# KiCad board gk.kicad_pcb (continued)
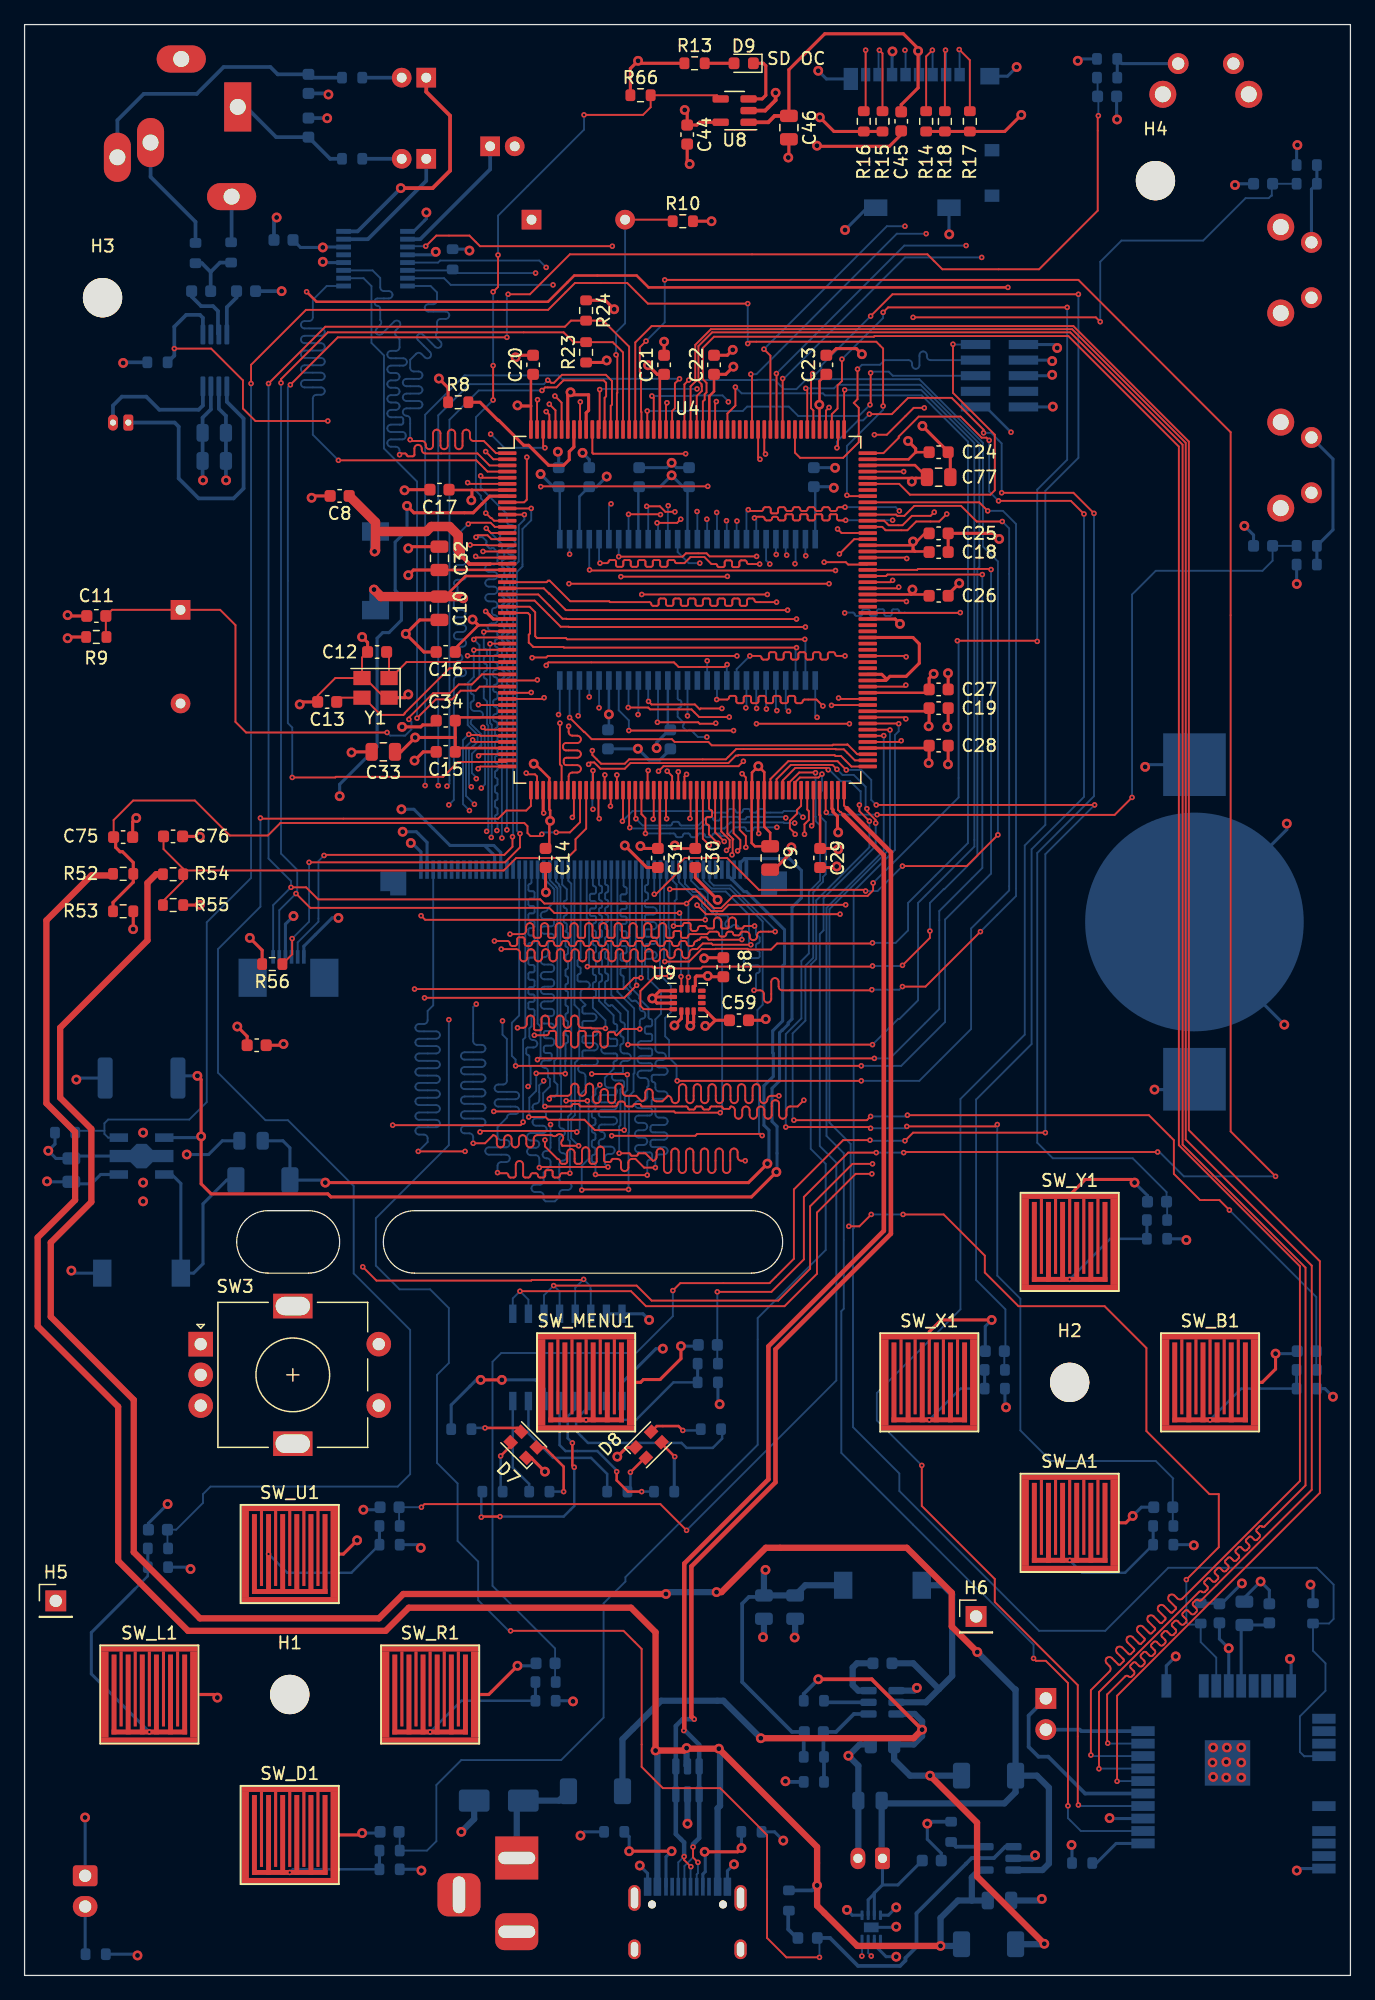
[diagram p0: board, top side]
## Routing (per net, layer and track width the routed paths; a pad name or vN(x,y) marks a point on that pad's centre or on a via; arc(x,y) is an arc through that point) (continued)
  Bottom w0.152: J4.7 69.53,156.6 v2(69.6,156.67)
SDMMC1_D1: length 54.2
  Top w0.152: v2(68.48,156.67) 68.48,151.85 R16.2 ; U4.145 69.99,118.38 70.36,118.01 71.48,118.01 72.24,118.77 73.76,118.77 v2(74.07,119.08)
  In3.Cu w0.152: v2(74.07,119.08) 74.07,134.67 68.48,140.26 68.48,151.66 arc(68.39,151.87) 68.18,151.96 67.91,151.96 arc(67.7,152.05) 67.61,152.26 arc(67.7,152.47) 67.91,152.56 68.18,152.56 arc(68.39,152.65) 68.48,152.86 v2(68.48,156.67)
  Bottom w0.152: v2(68.48,156.67) 68.48,156.67 J4.8
SDMMC1_D2: length 53.1
  Top w0.152: v2(61.72,129.95) 61.72,129.94 U4.167 ; v2(76.1,156.72) 76.96,155.85 R17.2
  In3.Cu w0.152: v2(76.1,156.72) 76.1,153.82 77.37,152.55 77.37,151.23 arc(77.46,151.02) 77.67,150.93 78.07,150.93 arc(78.28,150.84) 78.37,150.63 arc(78.28,150.42) 78.07,150.33 77.14,150.33 arc(76.98,150.27) 76.92,150.11 76.92,149.96 arc(76.98,149.8) 77.14,149.73 arc(77.3,149.67) 77.37,149.51 77.37,144.42 arc(77.46,144.21) 77.67,144.12 78.01,144.12 arc(78.22,144.04) 78.31,143.82 arc(78.22,143.61) 78.01,143.52 77.67,143.52 arc(77.46,143.44) 77.37,143.22 77.37,142.14 77.93,141.58 v2(77.93,139.8)
  Bottom w0.152: J4.1 76.13,156.69 v2(76.1,156.72) ; v2(77.93,139.8) 71.68,139.8 61.82,129.95 v2(61.72,129.95)
SDMMC1_D3: length 52.7
  Top w0.152: v2(74.98,156.67) 74.93,156.62 R18.2 ; U4.168 61.22,130.34 v2(61.21,130.35)
  In3.Cu w0.152: v2(74.98,156.67) 74.98,153.92 76.66,152.25 76.66,148.39 arc(76.71,148.26) 76.84,148.2 arc(76.97,148.15) 77.02,148.02 77.02,147.74 arc(76.97,147.62) 76.84,147.56 76.02,147.56 arc(75.8,147.47) 75.72,147.26 arc(75.8,147.05) 76.02,146.96 76.84,146.96 arc(76.98,146.91) 77.03,146.77 77.03,146.55 arc(76.98,146.42) 76.84,146.36 76.02,146.36 arc(75.8,146.27) 75.72,146.06 arc(75.8,145.85) 76.02,145.76 76.84,145.76 arc(76.97,145.71) 77.02,145.58 77.02,145.34 arc(76.97,145.22) 76.84,145.16 arc(76.71,145.11) 76.66,144.98 v2(76.66,140.77)
  Bottom w0.152: v2(76.66,140.77) 71.63,140.77 v2(61.21,130.35) ; v2(74.98,156.67) 75.03,156.62 J4.2
SPI1_MISO: length 184.6
  Top w0.152: v2(86.82,17.93) 86.82,23.22 88.34,24.74 arc(88.43,24.95) 88.34,25.16 88.1,25.4 arc(88.02,25.61) 88.1,25.83 arc(88.32,25.91) 88.53,25.83 89.05,25.3 arc(89.13,25.27) 89.21,25.3 89.48,25.57 arc(89.51,25.65) 89.48,25.72 88.95,26.25 arc(88.86,26.46) 88.95,26.67 arc(89.16,26.76) 89.38,26.67 89.9,26.15 arc(89.98,26.12) 90.06,26.15 90.33,26.42 arc(90.36,26.49) 90.33,26.57 89.8,27.1 arc(89.71,27.31) 89.8,27.52 arc(90.01,27.61) 90.22,27.52 90.75,27 arc(90.83,26.96) 90.91,27 91.18,27.27 arc(91.21,27.34) 91.18,27.42 90.65,27.95 arc(90.56,28.16) 90.65,28.37 arc(90.86,28.46) 91.07,28.37 91.6,27.84 arc(91.68,27.81) 91.76,27.84 92.02,28.11 arc(92.06,28.19) 92.02,28.27 91.5,28.8 arc(91.41,29.01) 91.5,29.22 arc(91.71,29.31) 91.92,29.22 92.45,28.69 arc(92.53,28.66) 92.6,28.69 92.87,28.96 arc(92.91,29.04) 92.87,29.12 92.35,29.64 arc(92.26,29.86) 92.35,30.07 arc(92.56,30.16) 92.77,30.07 93.3,29.54 arc(93.38,29.51) 93.45,29.54 93.72,29.81 arc(93.75,29.89) 93.72,29.97 93.19,30.49 arc(93.11,30.7) 93.19,30.92 arc(93.41,31) 93.62,30.92 93.86,30.68 arc(94.07,30.59) 94.28,30.68 103.84,40.23 103.84,57.71 93.98,67.56 93.98,124.41 84.99,133.4 69.2,133.4 69.15,133.35 56.13,133.35 55.22,132.44 55.22,129.9 55.52,129.59 55.52,128.82 55.37,128.67 55.37,128.22 55.22,128.07 U4.180
  Bottom w0.152: MOD1.17 86.9,17.85
SPI1_MOSI: length 179
  Top w0.152: U4.191 49.72,132.88 51.05,134.21 85.39,134.21 94.79,124.82 94.79,68.78 105.46,58.12 105.46,39.27 88.95,22.76 v2(88.95,15.8)
  Bottom w0.152: v2(88.95,15.8) 88.97,15.82 MOD1.15
SPI1_NSS: length 179
  Top w0.152: U4.181 54.72,128.52 55.14,128.94 55.14,129.31 55.12,129.34 55.12,129.49 54.86,129.74 54.86,132.59 55.98,133.71 85.14,133.71 94.28,124.56 94.28,67.6 104.29,57.59 104.29,39.88 100.95,36.53 arc(100.85,36.49) 100.74,36.53 arc(100.64,36.58) 100.54,36.53 100.32,36.31 arc(100.28,36.21) 100.32,36.11 100.54,35.89 arc(100.59,35.77) 100.54,35.65 100.36,35.46 arc(100.24,35.41) 100.12,35.46 99.89,35.69 arc(99.79,35.73) 99.69,35.69 99.47,35.47 arc(99.43,35.36) 99.47,35.26 99.69,35.04 arc(99.74,34.92) 99.69,34.8 99.51,34.61 arc(99.39,34.56) 99.27,34.61 99.05,34.84 arc(98.94,34.88) 98.84,34.84 98.62,34.62 arc(98.58,34.52) 98.62,34.41 98.84,34.19 arc(98.89,34.07) 98.84,33.95 98.66,33.77 arc(98.54,33.72) 98.42,33.77 98.2,33.99 arc(98.1,34.03) 97.99,33.99 97.77,33.77 arc(97.73,33.67) 97.77,33.56 98,33.34 arc(98.05,33.22) 98,33.1 97.81,32.92 arc(97.69,32.87) 97.57,32.92 97.35,33.14 arc(97.25,33.18) 97.14,33.14 96.93,32.92 arc(96.88,32.82) 96.93,32.72 97.15,32.49 arc(97.2,32.37) 97.15,32.25 96.96,32.07 arc(96.84,32.02) 96.72,32.07 96.5,32.29 arc(96.4,32.33) 96.3,32.29 96.08,32.07 arc(96.03,31.97) 96.08,31.87 96.3,31.65 arc(96.35,31.53) 96.3,31.41 96.11,31.22 arc(95.99,31.17) 95.87,31.22 arc(95.75,31.27) 95.63,31.22 87.48,23.06 v2(87.48,16.81)
  Bottom w0.152: MOD1.16 87.49,16.83 v2(87.48,16.81)
SPI1_SCK: length 179
  Top w0.152: v2(88.19,18.9) 88.14,18.95 88.14,22.86 89.61,24.33 arc(89.75,24.39) 89.88,24.33 arc(90.02,24.28) 90.15,24.33 90.31,24.49 arc(90.37,24.63) 90.31,24.76 90.06,25.02 arc(90.01,25.14) 90.06,25.26 90.24,25.44 arc(90.36,25.49) 90.48,25.44 90.74,25.19 arc(90.87,25.13) 91.01,25.19 91.16,25.34 arc(91.22,25.47) 91.16,25.61 90.91,25.87 arc(90.86,25.99) 90.91,26.1 91.09,26.29 arc(91.21,26.34) 91.33,26.29 91.59,26.04 arc(91.72,25.98) 91.86,26.04 92.01,26.19 arc(92.07,26.32) 92.01,26.46 91.76,26.71 arc(91.71,26.83) 91.76,26.95 91.94,27.14 arc(92.06,27.19) 92.18,27.14 92.43,26.88 arc(92.57,26.83) 92.71,26.88 92.86,27.04 arc(92.92,27.17) 92.86,27.31 92.6,27.56 arc(92.55,27.68) 92.6,27.8 92.79,27.99 arc(92.91,28.04) 93.03,27.99 93.28,27.73 arc(93.42,27.68) 93.56,27.73 93.71,27.88 arc(93.76,28.02) 93.71,28.16 93.45,28.41 arc(93.4,28.53) 93.45,28.65 93.64,28.84 arc(93.76,28.89) 93.88,28.84 94.13,28.58 arc(94.27,28.52) 94.4,28.58 94.56,28.73 arc(94.61,28.87) 94.56,29.01 94.3,29.26 arc(94.25,29.38) 94.3,29.5 94.49,29.68 arc(94.61,29.73) 94.73,29.68 94.98,29.43 arc(95.12,29.37) 95.25,29.43 95.4,29.58 arc(95.46,29.72) 95.4,29.85 95.15,30.11 arc(95.1,30.23) 95.15,30.34 95.34,30.53 arc(95.46,30.58) 95.57,30.53 arc(95.69,30.48) 95.81,30.53 97.02,31.75 104.8,39.52 104.8,57.76 94.54,68.02 94.54,124.71 85.29,133.96 55.88,133.96 54.61,132.69 54.61,129.69 54.22,129.31 U4.182
  Bottom w0.152: v2(88.19,18.9) 88.22,18.86 MOD1.18
SPKR_NSD: length 46.4
  Top w0.152: v2(12.19,132.38) 15.19,132.38 17.78,129.79 17.78,127.51 18.8,126.49 v2(24.69,126.49) ; v2(40.89,123.55) 40.89,120.09 40.68,119.88 U4.9
  In3.Cu w0.152: v2(40.89,123.55) 40.89,124.05 38.46,126.49 v2(24.69,126.49)
  Bottom w0.305: R22.1 12.19,131.81 v2(12.19,132.38) 12.19,134.16 13.16,135.13 14.27,135.13 14.52,134.88 U12.1
SPKRL: length 3.7
  Bottom w0.305: 16.81,141.03 16.86,141.08 J5.TN
SPKRR: length 9.7
  Bottom w0.305: R65.1 13.92,142.7 10.26,146.36 J5.RN
SWCLK: length 26
  Top w0.152: U4.165 62.72,123.91 63.14,123.49 66.65,123.49 67.92,124.76 67.92,127.56 67.51,127.97 67.82,128.27 v2(67.82,130.71)
  Bottom w0.152: J8.4 73.76,131.45 arc(73.55,131.53) 73.46,131.75 73.46,131.85 arc(73.37,132.07) 73.16,132.15 arc(72.95,132.07) 72.86,131.85 72.86,131.04 arc(72.77,130.82) 72.56,130.74 arc(72.35,130.82) 72.26,131.04 72.26,131.15 arc(72.17,131.36) 71.96,131.45 70.03,131.45 69.65,131.06 68.17,131.06 v2(67.82,130.71)
SWDIO: length 26
  Top w0.152: U4.151 71.21,121.38 72.09,120.5 78.64,120.5 78.99,120.85 78.99,125.37 75.59,128.78 v2(75.59,132.74)
  Bottom w0.152: v2(75.59,132.74) 75.62,132.72 J8.2
SWO: length 31.8
  Top w0.152: v2(50.7,127.3) 50.7,125.83 U4.189 ; v2(68.83,127.81) 68.88,127.86 v2(68.88,130.4)
  Bottom w0.152: v2(68.83,127.81) 67.92,126.9 62.99,126.9 62.23,127.66 58.83,127.66 58.47,127.3 v2(50.7,127.3) ; J8.6 70.69,130.18 70.36,130.51 68.99,130.51 v2(68.88,130.4)
USB_D_N: length 102.1
  Top w0.152: 66.7,94.43 66.45,94.68 66.4,94.68 66.22,94.85 U4.103 ; v2(54.83,9.2) 54.42,9.6 v2(54.42,10.45)
  Top w0.366: 66.7,94.43 66.69,94.43 69.96,91.16 69.96,60.59 60.56,51.19 60.56,40.37 53.71,33.52 53.71,19.97 v2(53.67,19.93)
  Bottom w0.152: J1.A7 53.72,8.9 54.42,9.6 v2(54.42,10.45) ; v2(54.83,9.2) 54.83,8.33 54.72,8.23 J1.B7
  Bottom w0.366: v2(53.67,19.93) 53.77,19.93 54.92,18.78 U1.6 U1.1 54.92,11.18 54.42,10.68 v2(54.42,10.45)
USB_D_P: length 102
  Top w0.152: v2(53.7,9.68) 53.7,9.4 v2(54.25,8.85) ; U4.104 66.72,95.2 66.95,94.98
  Top w0.366: 66.95,94.98 66.96,94.98 70.54,91.39 70.54,60.36 61.14,50.96 61.14,40.13 54.29,33.28 54.29,21.05 54.33,21.05 v2(54.52,20.85)
  Bottom w0.152: J1.B6 53.22,9.2 v2(53.7,9.68) ; v2(54.25,8.85) 54.22,8.83 J1.A6
  Bottom w0.366: v2(54.52,20.85) 53.58,20.85 53.02,20.3 U1.4 U1.3 53.02,11.5 53.7,10.83 v2(53.7,9.68)
USB_VBUS: length 276.8
  Top w0.25: U4.102 65.74,96.44 65.74,94.95 65.82,94.86 65.82,94.68 66.18,94.32 66.18,93.07 v1(66.24,93.01)
  Top w0.508: v1(74.58,2.4) 67.8,2.4 64.52,5.68 v1(64.52,7.33) 64.52,10.45 v1(56.52,18.45) 53.95,18.45 v1(53.9,18.5) 53.7,18.3 v1(51.38,18.3) 51.38,27.92 49.38,29.92 31.28,29.92 29.4,28.04 13.31,28.04 7.62,33.73 7.62,46.28 1.07,52.83 1.07,60.05 4.11,63.09 4.11,68.63 1.78,70.97 1.78,85.85 5.44,89.51 7.07,89.51 R52.1
  In3.Cu w0.25: v1(56.52,18.45) 56.52,21.5 55.17,22.86 55.17,33.73 65.63,44.2 65.63,81.43 65.68,81.48 65.68,87.12 67.56,89 67.56,91.69 v1(66.24,93.01)
  Bottom w0.305: v1(64.52,7.33) 64.12,6.92 R2.2
  Bottom w0.508: U2.4 77.72,8.58 77.12,7.98 77.12,6.1 ; U1.5 53.9,17.09 v1(53.9,18.5) ; v1(51.38,18.3) 51.52,18.15 J1.A9 ; 77.12,6.1 76,6.1 74.58,4.68 v1(74.58,2.4) 76.15,2.4 D2.2 ; 77.12,6.1 C1.1 ; J1.A4 56.42,13.6 56.62,13.8 56.62,18.35 v1(56.52,18.45)
VCORE: length 123.2
  Top w0.203: U4.152 68.68,121.85 72.64,121.85 ; 72.64,121.85 72.52,121.85 v1(72.24,121.56) ; 72.64,121.85 73.4,121.85 C77.1 72.49,122.9 68.68,122.9 U4.154 ; U4.21 35.9,113.88 34.23,112.2 C10.1 ; U4.89 59.2,96.42 59.2,92.15 59.47,91.88 C9.1 60.71,92.99 60.22,93.47 U4.91 60.22,97.92 v1(59.74,98.4) 59.22,97.88 U4.89
  Top w0.25: U4.202 44.22,128.6 v1(44.45,128.83) 44.65,128.63 45.92,128.63 45.92,127.36 45.72,127.16 U4.199
  Top w0.762: v1(35.71,112.06) 35.58,112.2 C10.1 29.02,112.2 v1(28.45,112.78)
  In4.Cu w0.762: 59.08,116.74 67.01,116.74 71.83,121.56 v1(72.24,121.56) ; 59.08,116.74 58.79,116.45 58.79,109.86 59.99,108.66 59.99,106.43 60.1,106.43 63.3,103.23 63.3,101.96 v1(59.74,98.4) ; 59.08,116.74 48.92,116.74 47.7,117.96 44.45,117.96 ; v1(44.45,128.83) 44.09,128.47 44.09,127.71 44.45,127.36 44.45,117.96 ; 44.45,117.96 38.56,112.06 v1(35.71,112.06)
  Bottom w0.762: v1(28.45,112.78) 28.45,111.23 L2.1
VUSB_SENSE: length 53
  Top w0.152: v2(42.11,92.86) 41.97,92.72 41.19,92.72 40.94,92.96 40.94,93.52 40.69,93.78 20.83,93.78 19.81,92.76 16.71,92.76 13.87,95.61 8.84,95.61 7.25,94.02 C75.1 ; v2(43.28,93.01) 44.4,93.01 45.22,93.84 U4.61
  Top w0.25: C75.1 7.42,92.46 7.42,91.8 7.77,91.44 7.98,91.44 8.85,90.56 R52.2 8.85,88.96 7.2,87.31 R53.1
  Bottom w0.152: v2(42.11,92.86) 42.27,93.01 v2(43.28,93.01)
WIFI_CHIP_EN: length 108.1
  Top w0.152: v2(70.46,101.35) 70.43,101.38 U4.111 ; v2(68.94,61.93) 67.97,60.96 v2(67.11,60.96) ; v2(94.59,32.21) 97.23,34.85 97.23,39.17 96.47,39.17 91.34,44.3 91.34,51.05 87.93,54.46 80.92,54.46 78.18,57.2 78.18,58.57 74.83,61.93 v2(71.53,61.93)
  Bottom w0.152: v2(68.94,61.93) v2(71.53,61.93) ; v2(94.59,32.21) 94.59,28.75 94.79,28.55 95.67,28.55 R26.1 95.76,27.13 97.02,25.86 MOD1.22 ; v2(67.11,60.96) 67.26,61.11 67.26,67.67 65.53,69.39 65.53,86.77 70.46,91.7 v2(70.46,101.35)
WIFI_IRQ: length 171
  Top w0.152: v2(85.8,136.8) 70.66,136.8 v2(68.88,135.03) ; U4.162 64.22,127.35 64.03,127.54 64.03,130.23 v2(64.16,130.35) ; v2(85.8,13.87) 85.75,13.92 85.75,23.62 78.99,30.38 78.99,32.26 73.05,38.2 v2(73.05,41.5)
  Bottom w0.152: v2(73.05,41.5) 69.39,45.16 69.39,47.4 76.2,54.2 76.2,71.32 81.43,76.56 81.43,91.95 83.11,93.62 83.11,120.8 85.8,123.49 v2(85.8,136.8) ; v2(68.88,135.03) 64.87,131.01 64.87,130.76 64.47,130.35 v2(64.16,130.35) ; MOD1.13 85.89,13.78 v2(85.8,13.87)
WIFI_NRST: length 129.3
  Top w0.152: v2(71.17,101.85) 71.15,101.88 U4.112
  Bottom w0.152: MOD1.4 104.2,17.84 104.19,17.83 103.84,18.19 103.84,21.08 105.92,23.16 105.92,25.4 104.9,26.42 R27.1 106.21,28.64 106.58,29.01 106.58,31.8 105.21,33.17 93.12,33.17 87.99,28.04 82.6,28.04 71.22,39.42 71.22,40.84 67.45,44.61 67.45,60.75 67.5,60.8 67.5,88.23 70.87,91.59 70.87,100.94 71.17,101.24 v2(71.17,101.85)
WIFI_WAKE: length 106.7
  Top w0.152: v2(69.95,100.89) 69.94,100.88 U4.110 ; v2(82.15,25.8) 82.35,25.6 83.15,25.6 84.95,23.8 v2(84.95,13.8)
  Bottom w0.152: v2(69.95,100.89) 69.95,91.53 65.29,86.87 65.29,68.31 66.7,66.9 66.7,54.25 66.5,54.05 66.5,42.52 77.57,31.45 77.62,31.45 82.15,26.92 v2(82.15,25.8) ; v2(84.95,13.8) 84.95,12.8 86,11.75 MOD1.11
Net-(BT1-+): length 135.1
  Top w0.254: v1(31.14,119.58) 31.7,119.02 36.53,119.02 37.88,120.38 U4.8
  In4.Cu w0.254: 88.7,95.96 88.85,95.96 v1(91.24,98.35) ; 88.7,95.96 v1(25.65,95.96) ; 88.7,95.96 88.7,75.39 v1(92,72.09)
  Bottom w0.254: BT1.1 94.41,72.09 v1(92,72.09) ; v1(25.65,95.96) 25.65,96.93 28.7,99.97 28.7,108.81 29.16,109.27 29.67,109.27 30.68,110.29 30.68,112.22 30.18,112.73 30.18,116.64 31.14,117.6 v1(31.14,119.58) ; BT1.1 91.41,98.53 v1(91.24,98.35)
Net-(C49-Pad2): length 3.2
  Bottom w0.305: C49.2 27.49,147.83
Net-(C50-Pad2): length 3.2
  Bottom w0.305: C50.2 27.49,154.43
Net-(C51-Pad1): length 23.5
  Bottom w0.305: J5.R 7.56,150.97 9.7,153.11 14.02,153.11 16.21,155.3 20.02,155.3 20.61,154.7 23.11,154.7 23.38,154.43 R21.2
Net-(C52-Pad1): length 10.2
  Bottom w0.305: J5.T 18.03,152.05 20.49,149.59 23.11,149.59 24.88,147.83 R20.2
Net-(C82-Pad2): length 5.1
  Bottom w0.305: 15.15,138.62 C82.2 ; 15.15,138.62 15.91,139.38 R64.2 ; 15.15,138.62 14.44,139.33 R65.2
Net-(D1-A): length 194.8
  Top w0.508: v1(77.57,26.31) 75.49,28.4 75.49,31.14 71.83,34.8 60.35,34.8 56.74,31.19 v1(56.34,31.19) ; R54.1 10.72,89.61 10.01,88.9 10.01,84.23 2.9,77.11 2.9,71.42 5.44,68.88 5.44,62.94 2.13,59.64 2.13,53.59 8.89,46.84 8.89,34.44 14.27,29.06 28.85,29.06 30.84,31.04 v1(52.22,31.04)
  Bottom w0.25: C79.1 71.11,7.37 69.85,7.37 ; 69.85,7.37 69.19,6.7 ; 69.85,7.37 J2.1 ; U10.2 68.69,6.15 69.19,6.65 69.19,6.7 ; U10.3 69.19,6.7
  Bottom w0.508: D1.2 80.69,14.91 79.77,14 70.01,14 C2.1 69.78,9.59 J2.1 ; D1.2 80.69,23.27 80.62,23.27 v1(77.57,26.31) ; D1.2 82.42,16.26 83.4,15.28 83.4,9.1 82.88,8.58 U2.3 ; v1(52.22,31.04) 52.37,31.19 v1(56.34,31.19)
Net-(D1-K): length 77.1
  Top w0.305: v1(64.62,24.1) 68.97,24.1 v1(73.08,20)
  Top w0.508: v1(83.02,2.58) 77.55,8.05 77.55,12.43 v1(73.72,16.26) ; v1(73.08,20) 72.38,19.3 v1(59.94,19.3)
  Bottom w0.305: v1(64.62,24.1) 63.44,22.91 R3.1
  Bottom w0.508: v1(59.94,19.3) 56.9,22.35 51.82,22.35 48.68,19.22 D5.1 ; U3.3 72.47,21.28 73.08,20.68 v1(73.08,20) 73.08,19.48 72.4,18.8 C3.1 70.8,17.55 72.09,16.26 v1(73.72,16.26) D1.1 ; D2.1 82.99,2.54 v1(83.02,2.58)
Net-(D3-A): length 2.6
  Bottom w0.305: D3.2 62.88,3.05 62.17,3.75 62.17,5.22 R2.1
Net-(D4-A): length 19.4
  Bottom w0.25: D4.2 16.46,64.72 14.53,62.79 14.53,57.91 13.77,57.15 L3.2 12.72,64.44 11.99,65.18 U5.5
Net-(D4-K): length 72.5
  Top w0.25: v1(24.49,64.52) 58.94,64.52 v1(60.48,66.06)
  Bottom w0.25: C36.1 21.03,67.92 21.61,67.35 D4.1 24.28,64.72 v1(24.49,64.52) ; v1(60.48,66.06) 60.6,66.18 60.6,68.78 60.2,69.19 60.2,72.39 60.96,73.15 60.96,75.03 60.91,75.08 60.91,76.86 61.72,77.67 61.72,82.14 61.87,82.3 61.87,85.09 58.78,88.19 58.58,88.19 57.59,89.18 ; J3.4 57.27,89.5 57.59,89.18 ; 57.59,89.18 57.77,89.37 J3.3
Net-(D5-A): length 8.9
  Bottom w0.508: D5.2 43.52,14.22 D6.2 40.07,13.69 J10.1
Net-(D7-BK): length 4.4
  Top w0.203: D7.4 39.58,43.08 v2(38.76,42.27)
  Bottom w0.203: v2(38.76,42.27) 38.76,39.53 R63.1
Net-(D7-GK): length 4.2
  Top w0.203: v2(37.49,44.55) 40.12,44.55 D7.3
  Bottom w0.203: R62.1 36.49,44.55 v2(37.49,44.55)
Net-(D7-RK): length 6
  Top w0.203: D7.2 42.33,42.97 43.89,41.4 v2(43.89,39.37)
  Bottom w0.203: v2(43.89,39.37) R61.1
Net-(D8-BK): length 4.4
  Top w0.203: v2(53.59,44.35) 53.24,44.7 51.48,44.7 D8.4
  Bottom w0.203: v2(53.59,44.35) 54.95,44.35 R60.1
Net-(D8-GK): length 4.5
  Top w0.203: v2(52.93,42.21) 51.86,43.29 D8.3
  Bottom w0.25: v2(52.93,42.21) 52.89,42.18 R59.1
Net-(D8-RK): length 3.4
  Top w0.203: v2(49.33,40.94) 50.5,42.12 D8.2
  Bottom w0.203: R58.1 49.33,39.61 v2(49.33,40.94)
Net-(D9-A): length 2.4
  Top w0.254: D9.2 R13.2
Net-(D9-K): length 5
  Top w0.254: D9.1 60.15,155.6 60.35,155.4 60.35,153 60.05,152.7 U8.3
Net-(J1-CC1): length 7.4
  Top w0.25: v1(55.37,10.06) 58.06,10.06 v1(58.37,10.36)
  Bottom w0.25: R6.1 58.37,11.67 v1(58.37,10.36) ; v1(55.37,10.06) 55.42,10.01 55.42,8.44 55.22,8.25 J1.A5
Net-(J1-CC2): length 8.3
  Top w0.25: v1(52.68,10.11) v1(49.23,10.11)
  Bottom w0.25: J1.B5 52.22,9.65 v1(52.68,10.11) ; R7.1 49.23,11.29 v1(49.23,10.11)
Net-(J3-Pin_1): length 94.5
  Top w0.25: v1(61.21,65.38) 59.18,63.35 24.94,63.35 24.69,63.6 15.19,63.6 14.38,64.41 v1(14.38,68.28) 14.38,72.9 v1(14.07,73.2)
  Bottom w0.25: R12.1 12.67,73.2 v1(14.07,73.2) ; J3.2 58.27,90.53 58.62,90.88 ; 58.62,90.88 58.77,90.73 J3.1 ; 58.62,90.88 62.28,90.88 63.25,89.92 63.25,87.68 62.48,86.92 62.48,77.83 62.17,77.51 62.17,77.39 61.7,76.92 61.68,76.92 61.47,76.71 61.47,72.8 60.86,72.19 60.86,69.49 61.26,69.09 61.26,65.43 v1(61.21,65.38) ; v1(14.38,68.28) 14.28,68.18 U5.4
Net-(J6-Pin_1): length 23.6
  Bottom w0.305: J6.1 12.22,126.36 12.55,126.03 12.55,121.82 14.17,120.19 17.02,120.19 17.83,121.01 17.83,126.7 16.47,128.06 U12.5
Net-(J6-Pin_2): length 11.1
  Bottom w0.305: U12.8 14.52,127.75 14.17,127.41 10.97,127.41 9.91,128.47 7.92,128.47 7.2,127.75 J6.2
Net-(J7-Pin_1): length 15.4
  Bottom w0.305: J7.1 81.75,21.14 81.75,18.6 82.55,17.8 83.35,17.8 86.35,14.8 MOD1.14
Net-(J7-Pin_2): length 8
  Bottom w0.305: J7.2 85.91,20 86.03,19.88 MOD1.19
Net-(MOD1-1P3V_TP): length 7.2
  Bottom w0.25: MOD1.24 99.06,28.26 C61.1 101.17,28.51 C60.1
Net-(MOD1-SPI_CFG): length 4.8
  Bottom w0.25: MOD1.10 88.87,10.74 87.27,9.14 R25.2
Net-(R28-Pad2): length 9.7
  Bottom w0.203: v2(85.09,33.78) 86.1,32.77 89.6,32.77 R28.2
  Bottom w0.25: R29.1 R28.2
Net-(R30-Pad2): length 9.6
  Bottom w0.203: R30.2 99.06,47.75 v2(96.52,45.21)
  Bottom w0.25: R31.1 R30.2
Net-(R32-Pad2): length 7.1
  Bottom w0.203: R32.2 76.2,47.75 v2(73.66,45.21)
  Bottom w0.25: R33.1 R32.2
Net-(R34-Pad2): length 9.2
  Bottom w0.203: v2(85.09,56.64) 88.39,59.94 R34.2
  Bottom w0.25: R35.1 R34.2
Net-(R36-Pad2): length 32.3
  In3.Cu w0.25: v2(19.86,34.29) 18.8,35.36 18.8,48.21 15.64,51.37 SW3.A
  Bottom w0.203: R36.2 26.61,32.77 21.39,32.77 v2(19.86,34.29)
  Bottom w0.25: R37.1 R36.2
Net-(R38-Pad2): length 57
  In3.Cu w0.25: v2(21.59,8.38) 18.59,8.38 7.98,19 7.98,40.01 SW3.B
  Bottom w0.203: v2(21.59,8.38) 21.85,8.64 R38.2
  Bottom w0.25: R39.1 R38.2
Net-(R40-Pad2): length 56.5
  In3.Cu w0.25: SW3.S1 28.84,44.96 27.03,43.14 27.03,39.73 23.93,36.63 23.93,31.19 19.86,27.13 15.44,27.13 13.61,25.3 12.14,25.3 10.16,23.32 v2(10.16,19.81)
  Bottom w0.203: R40.2 10.03,32.5 8.98,31.45
  Bottom w0.25: v2(10.16,19.81) 5.44,24.53 5.44,27.9 8.98,31.45 ; R40.2 R41.1
Net-(R42-Pad2): length 11.1
  Bottom w0.203: 41.59,22.35 35.56,22.35 v2(33.02,19.81)
  Bottom w0.25: 41.59,23.88 41.59,22.35
Net-(R44-Pad2): length 6.5
  Bottom w0.25: SW_VOLUP1.2 104.77,145.35 R45.1 R44.2
Net-(R46-Pad2): length 11.6
  Bottom w0.25: R46.2 R47.1 106.53,117.64 106.53,123.4 SW_VOLDOWN1.2
Net-(R48-Pad2): length 6.6
  Bottom w0.25: R49.1 R48.2 89.34,155.58 SW_ONOFF1.2
Net-(R50-Pad2): length 11.9
  Bottom w0.203: v2(45.72,45.21) 49.78,45.21 52.83,48.26 54.8,48.26
  Bottom w0.25: 54.8,49.78 54.8,48.26
Net-(U2-PROG): length 3
  Bottom w0.305: 78.24,10.48 75.82,10.48 R1.1
Net-(U3-BST): length 4.7
  Bottom w0.508: U3.6 67.88,23.18 67.42,23.62 67.42,25.05 67.77,25.4 C4.2
Net-(U3-EN): length 3.7
  Bottom w0.305: U3.5 65.21,22.23 R3.2
Net-(U3-FB): length 8.4
  Bottom w0.305: U3.4 67.52,21.28 66.06,19.81 C5.2 65.04,17.83 R4.2 R5.1
Net-(U3-SW): length 19.5
  Bottom w0.508: U3.2 73.38,22.23 74.45,23.3 ; 74.45,23.3 72.35,25.4 C4.1 ; 74.45,23.3 75.52,24.38 75.52,31 74.77,31.75 L1.1
Net-(U4-BOOT0): length 21.4
  Top w0.152: v2(48.16,131.88) 48.26,131.78 48.26,128.78 48.22,128.74 U4.194 ; R10.1 52.64,142.88 SW2.2
  Bottom w0.152: v2(48.16,131.88) 48.16,133.71 48.89,134.44 SW2.2
Net-(U4-PDR_ON): length 13.1
  Top w0.25: U4.201 44.72,124.38 44.35,124 44.35,123.34 43.89,122.89 42.67,122.89 41.05,124.51 40.64,124.51 38.61,126.54 38.56,126.54 37.08,128.02 R8.2
Net-(U4-PH0): length 12.4
  Top w0.152: C12.1 29.67,107.5 29.67,105.58 29.8,105.58 31.1,106.88 U4.35
Net-(U4-PH1): length 16.2
  Top w0.152: U4.36 34.6,106.38 30.95,102.73 30.95,102.68 30.85,102.58 29,102.58 27.6,103.98 25.76,103.98 C13.1
Net-(U4-VLXSMPS): length 20.1
  Top w0.203: 37.9,114.85 37.92,114.88 U4.19
  Top w0.305: 35.47,115.6 36.22,114.85 37.9,114.85
  Top w0.762: v1(28.5,115.87) 28.58,115.95 L2.2 ; 35.47,115.6 35.47,115.86 35.31,116.03 35.31,117.2 34.59,117.91 33.12,117.91 32.71,117.5 L2.2 ; C8.1 28.58,118.25 L2.2
  Bottom w0.762: L2.2 28.5,117.42 v1(28.5,115.87)
Net-(U7-V_COM): length 11
  Bottom w0.305: C48.1 37.91,146.97 32.22,141.29 U7.10
Net-(U7-VOUTL): length 10.5
  Bottom w0.305: 25.97,141.29 27.95,141.29 32.71,146.04 C49.1
Net-(U7-VOUTR): length 19.1
  Top w0.305: v1(30.63,145.44) 33.22,145.44 34.65,146.86 34.65,151.33 32.71,153.27 C50.1
  Bottom w0.305: v1(30.63,145.44) 27.11,141.92 25.97,141.92
Net-(U11-O1): length 7.9
  Bottom w0.203: R61.2 41.08,39.99 39.75,41.33 U11.16
Net-(U11-O2): length 11.8
  Bottom w0.203: U11.15 41.02,44.12 43.03,42.11 46.13,42.11 47.44,40.8 R58.2
Net-(U11-O3): length 11.7
  Top w0.25: v1(37.13,48.46) v1(38.86,48.46)
  Bottom w0.25: U11.14 42.29,47.78 41.61,48.46 v1(38.86,48.46) ; v1(37.13,48.46) 36.78,48.46 34.73,46.42 R62.2
Net-(U11-O4): length 13.3
  Top w0.203: v2(50.24,39.37) 49.12,39.37 48.21,40.28 v2(48.21,41)
  Bottom w0.203: v2(48.21,41) 48.21,41.1 46.63,42.67 44.04,42.67 43.56,43.15 U11.13 ; v2(50.24,39.37) R59.2
Net-(U11-O5): length 19.1
  Top w0.203: v2(37.19,37.29) 37.24,37.34 v2(38.71,37.34) ; v2(44.6,43.33) 44.6,41.5 v2(44.75,41.35)
  Bottom w0.203: v2(44.6,43.33) 44.22,43.71 44.22,45.49 44.83,46.1 U11.12 ; v2(38.71,37.34) 43.89,37.34 44.75,38.2 v2(44.75,41.35) ; v2(37.19,37.29) 37.19,39.28 R63.2
Net-(U11-O6): length 16.5
  Bottom w0.203: U11.11 46.1,46.46 44.91,45.26 44.91,44.3 45.87,43.33 53.49,43.33 53.9,42.93 56.03,42.93 56.79,43.69 56.79,44.36 R60.2
Net-(U12-IN+): length 5
  Bottom w0.305: C82.1 13.6,136.61 14.38,135.84 15.34,135.84 15.75,135.43 15.75,133.6 15.82,133.53
Net-(U12-IN-): length 3.9
  Bottom w0.305: U12.4 16.47,135.75 17.26,136.54 C83.1

## Copper pours and planes (outline as drawn; the poured copper is in the pictures)
GND on Bottom: 1.02,67.56 8.89,67.56 8.89,69.85 10.41,69.85 10.41,67.56 15.24,67.56 15.24,65.79 10.41,65.79 10.41,62.23 8.89,62.23 8.89,65.79 1.02,65.79
GND on In1.Cu, In4.Cu: -12.7,165.1 114.3,165.1 114.3,-6.35 -12.7,-6.35
VCC on In2.Cu: -12.7,165.1 114.3,165.1 114.3,-6.35 -12.7,-6.35

## Text on the board
B.Silkscreen: WIFI_TX | WIFI_RX
F.Silkscreen: SD OC
